# Altium PCB PR2387.PcbDoc (part 1 of 2) (continued)
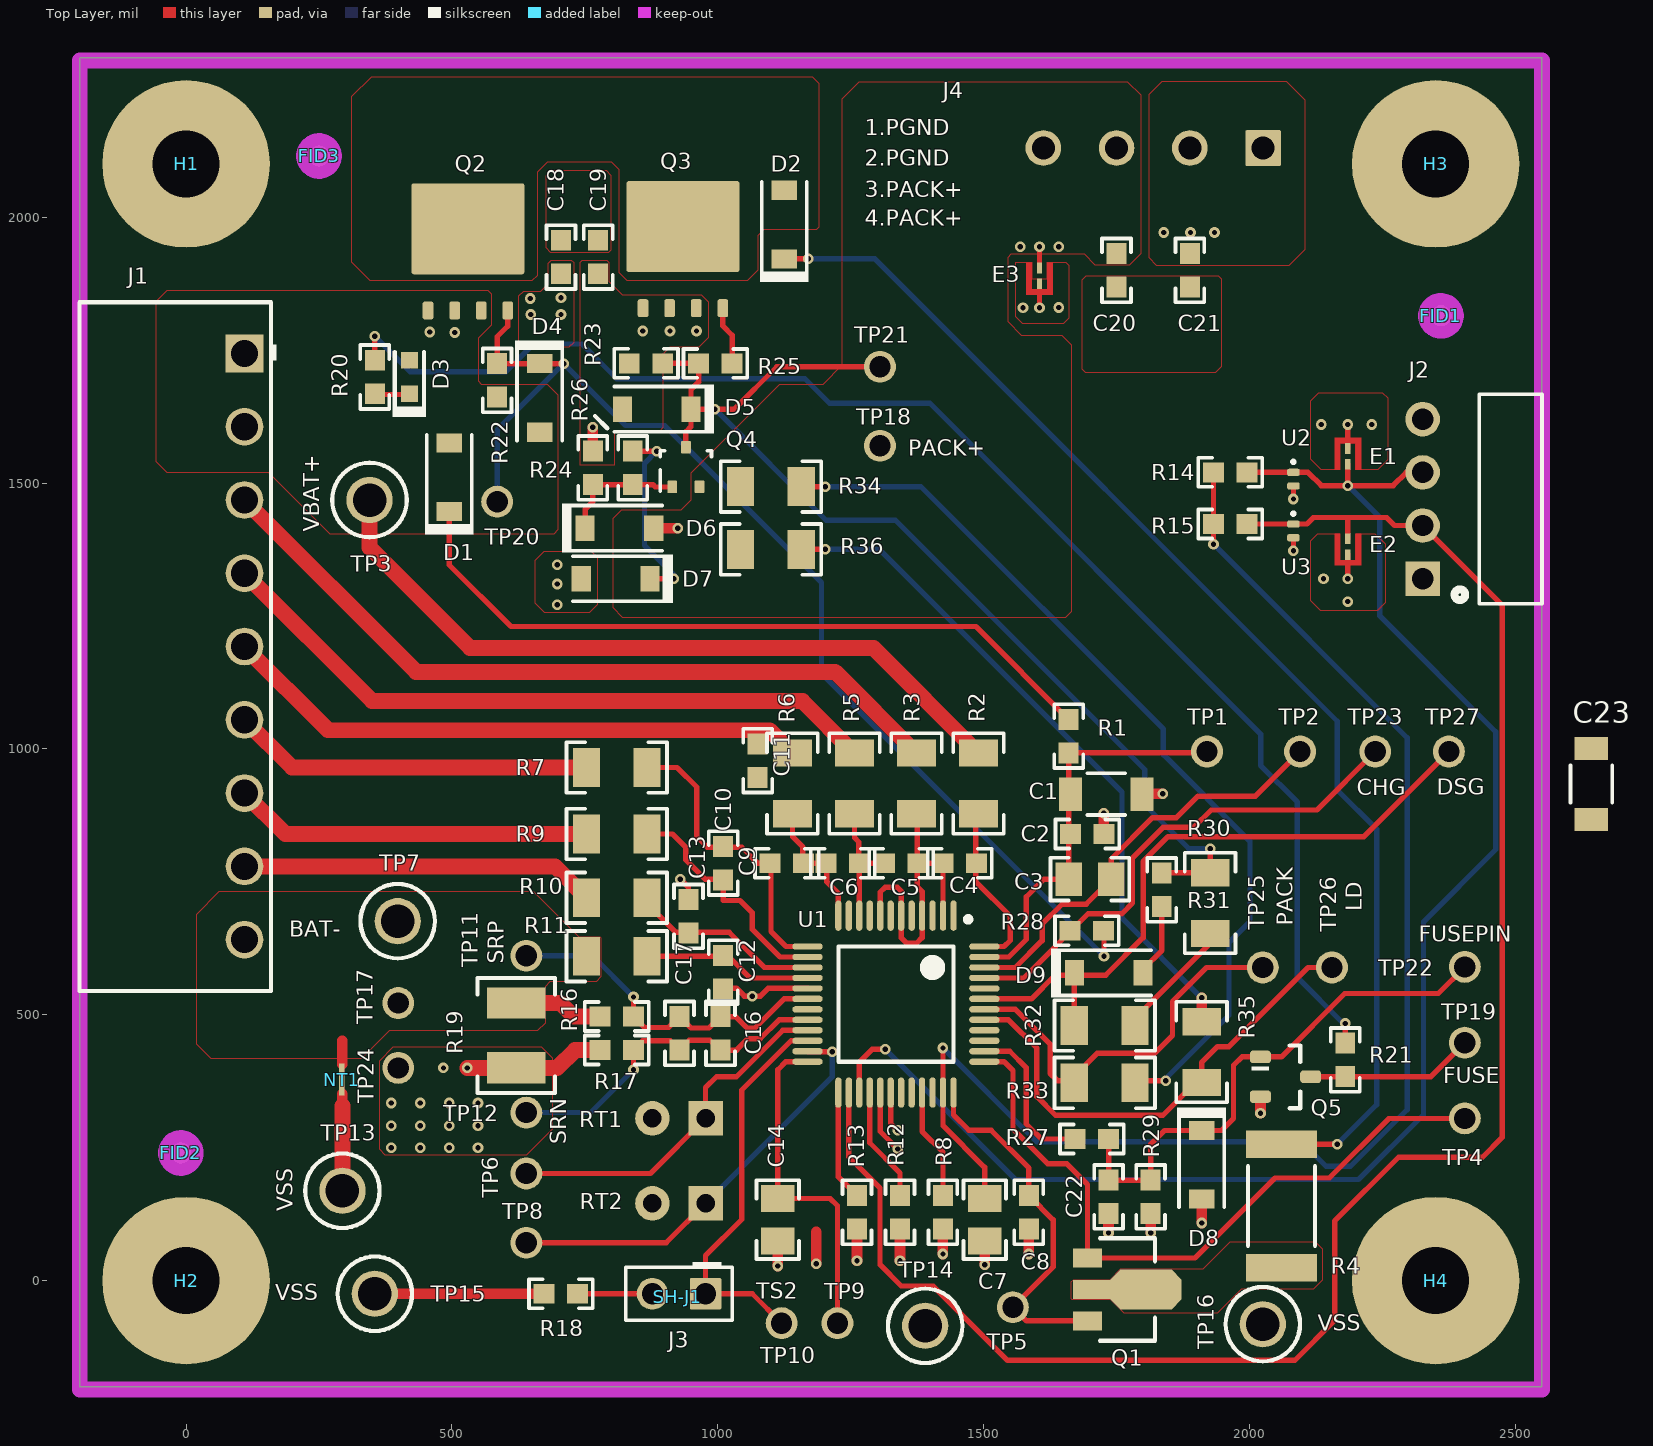
[diagram p0: Top Layer view]
## Part data (continued)
C14: library part CMP-0008001-2, "CAP, CERM, 2.2 uF, 16 V, +/- 10%, X7R, 0805", Cap_Case=0805, Manufacturer="Taiyo Yuden", Supplier Part Number 1=587-1431-1-ND, TempCo=X7R, Tolerance_%=10%, Value1=Unknown, Value2=16V, ValueDisplayed=2.2uF, AEC Category=Q200, AEC Qualified=?, Cap_F=2.2킚, ComponentLink1Description="Datasheet link", ComponentLink1URL=http://www.yuden.co.jp/ut/product/pdf/djmk_e.pdf, CompType=Capacitor, LatestRevisionDate=2017-03-09, MountType=SMT, PackageReference=0805, PartNumber=EMK212B7225KG-T, Polarized=N, Published=2008-06-19, Publisher="Texas Instruments", RoHS=Y, SizeArea_mm2=2.5, SizeAreaWB_mm2=6.75, SizeX_mm=2, SizeY_mm=1.25, SizeZ_mm=1.45, Supplier 1=Digi-Key, Supplier 2=Farnell, Supplier Part Number 2=1683654, TaMax_C=125캜, TaMin_C=-55캜, Technology=Ceramic, U/M=EA, VDC_V=16V
C16: library part CMP-0006841-4, "CAP, CERM, 100 pF, 50 V, +/- 5%, C0G/NP0, 0603", Cap_Case=0603, Manufacturer=Kemet, Supplier Part Number 1=399-1061-1-ND, TempCo=C0G/NP0, Tolerance_%=5%, Value1=Unknown, Value2=50V, ValueDisplayed=100pF, AEC Category=Q200, AEC Qualified=?, Cap_F=100pF, ComponentLink1Description="Datasheet link", ComponentLink1URL=http://www.kemet.com/kemet/web/homepage/kechome.nsf/vapubfiles/F3102_Y5V.pdf/$file/F3102_Y5V.pdf, CompType=Capacitor, LatestRevisionDate=2017-03-09, MountType=SMT, PackageReference=0603, PartNumber=C0603C101J5GACTU, Polarized=N, Published=2008-06-19, Publisher="Texas Instruments", RoHS=Y, SizeArea_mm2=1.28, SizeAreaWB_mm2=4.68, SizeX_mm=1.6, SizeY_mm=0.8, SizeZ_mm=1, Supplier 1=Digi-Key, Supplier 2=Mouser, Supplier 3=Farnell, Supplier Part Number 2=80-C0603C101J5G, Supplier Part Number 3=1414603, TaMax_C=125캜, TaMin_C=-55캜, Technology=Ceramic, U/M=EA, VDC_V=50V
C17 C22: library part CMP-0006837-4, "CAP, CERM, 0.1 uF, 50 V, +/- 10%, X7R, 0603", Cap_Case=0603, Manufacturer="Wurth Elektronik", TempCo=X7R, Tolerance_%=10%, Value1=Unknown, Value2=50V, ValueDisplayed=0.1uF, AEC Category=Q200, AEC Grade=N/A, AEC Qualified=N, Cap_F=100nF, ComponentLink1Description="Datasheet link", ComponentLink1URL=http://katalog.we-online.de/pbs/datasheet/885012206095.pdf, CompType=Capacitor, LatestRevisionDate=2017-03-09, MountType=SMT, PackageReference=0603, PartNumber=885012206095, Polarized=N, Published=2008-06-19, Publisher="Texas Instruments", RoHS=Y, SizeArea_mm2=1.28, SizeAreaWB_mm2=4.68, SizeX_mm=1.6, SizeY_mm=0.8, SizeZ_mm=1, TaMax_C=125캜, TaMin_C=-55캜, Technology=Ceramic, U/M=EA
  C22: VDC_V=50V
C18 C19 C20 C21: library part CMP-0064935-4, "CAP, CERM, 0.1 uF, 100 V,+/- 10%, X7R, AEC-Q200 Grade 1, 0603", Cap_Case=0603, Manufacturer=MuRata, Supplier Part Number 1=490-13420-1-ND, TempCo=X7R, Tolerance_%=10%, Value1=Unknown, Value2=100V, ValueDisplayed=0.1uF, AEC Category=Q200, AEC Grade=1, AEC Qualified=Y, Cap_F=100nF, ComponentLink1Description="Datasheet link", ComponentLink1URL=http://search.murata.co.jp/Ceramy/image/img/A01X/G101/ENG/GCJ188R72A104KA01-01.pdf, CompType=Capacitor, LatestRevisionDate=2017-06-05, MountType=SMT, PackageReference=0603, PartNumber=GCJ188R72A104KA01D, Polarized=N, Published=2008-06-19, Publisher="Texas Instruments", RoHS=Y, SizeArea_mm2=1.28, SizeAreaWB_mm2=4.68, SizeX_mm=1.6, SizeY_mm=0.8, SizeZ_mm=1, Supplier 1=Digi-Key, Supplier 2=Mouser, Supplier Part Number 2=81-GCJ188R72A104KA1D, TaMax_C=125캜, TaMin_C=-55캜, Technology=Ceramic, U/M=EA, VDC_V=100V
D1 D2 D9: library part CMP-0028450-2, "Diode, Schottky, 100 V, 0.15 A, SOD-123", Manufacturer="Diodes Inc.", Value1=0.15A, Value2=0.6V, AEC Category=Q101, AEC Qualified=?, ComponentLink1Description="Datasheet link", ComponentLink1URL=http://www.diodes.com/datasheets/ds30044.pdf, CompType=Diode, Green_EU RoHS=Passed, Green_EU RoHS-2=Passed, Green_Lifecycle=Active, Green_REACh=Passed, Io_A=150mA, MountType=SMT, PackageReference=SOD-123, PartNumber=BAT46W-7-F, RoHS=Y, SizeArea_mm2=6.545, SizeAreaWB_mm2=13.095, SizeX_mm=3.85, SizeY_mm=1.7, SizeZ_mm=1.35, Type=Schottky, Vf_V=600mV, Vr_V=100V
D3: library part CMP-0002947-3, "LED, Red, SMD", Color=Red, Manufacturer="Wurth Elektronik", Power_TotalModule=72mW, Value1=0.072W, Value2=2V, Angle=140, ComponentLink1Description="Datasheet link", ComponentLink1URL=http://katalog.we-online.de/led/datasheet/150060RS75000.pdf, CompType=LED, Io_A=30mA, MountType=SMT, PackageReference=LED_0603, PartNumber=150060RS75000, RoHS=Y, Tjmax_C=85캜, Type=AlInGaP, Vf_V=2V, Vr_V=5V
D4 D5 D6: library part CMP-0005754-4, "Diode, Zener, 16 V, 500 mW, SOD-123", Manufacturer="Diodes Inc.", Power_W=500mW, Value1=0.5W, AEC Category=Q101, AEC Qualified=?, ComponentLink1Description="Datasheet link", ComponentLink1URL=http://www.diodes.com/datasheets/ds18010.pdf, CompType=Zener, MountType=SMT, PackageReference=SOD-123, PartNumber=MMSZ5246B-7-F, RJA_CperW=350, RoHS=Y, SizeArea_mm2=6.545, SizeAreaWB_mm2=13.095, SizeX_mm=3.85, SizeY_mm=1.7, SizeZ_mm=1.35, Vz_V=16V
D7: library part CMP-0029001-2, "Diode, Ultrafast, 100 V, 0.15 A, SOD-123", Manufacturer="Diodes Inc.", Value1=0.15A, Value2=1.25V, AEC Category=Q101, AEC Qualified=?, ComponentLink1Description="Datasheet link", ComponentLink1URL=http://www.diodes.com/datasheets/ds30086.pdf, CompType=Diode, Green_EU RoHS=Passed, Green_EU RoHS-2=Passed, Green_Lifecycle=Active, Green_REACh=Passed, Io_A=1.5dA, MountType=SMT, PackageReference=SOD-123, PartNumber=1N4148W-7-F, RoHS=Y, SizeArea_mm2=6.545, SizeAreaWB_mm2=13.095, SizeX_mm=3.85, SizeY_mm=1.7, SizeZ_mm=1.35, Tjmax_C=150캜, Type=Ultrafast, Vf_V=1.25V, Vr_V=100V
D8: library part CMP-0005740-3, "Diode, Zener, 10 V, 500 mW, SOD-123", Manufacturer="ON Semiconductor", Power_W=500mW, Value1=0.5W, AEC Category=Q101, AEC Qualified=?, ComponentLink1Description="Datasheet link", ComponentLink1URL=http://www.onsemi.com/pub_link/Collateral/MMSZ4678T1-D.PDF, CompType=Zener, MountType=SMT, PackageReference=SOD-123, PartNumber=MMSZ4697T1G, RJA_CperW=340, RoHS=Y, SizeArea_mm2=6.545, SizeAreaWB_mm2=13.095, SizeX_mm=3.85, SizeY_mm=1.7, SizeZ_mm=1.35, Vz_V=10V
E1 E2 E3: library part CMP-0079939-1, CompType="Spark Gap"
FID1 FID2 FID3 FID4 FID5 FID6: library part CMP-0077181-1, "Fiducial mark.  There is nothing to buy or mount.", Manufacturer=N/A, ClassName=FiducialMark, CompType=Fiducial, MountType=N/A, PackageReference=N/A, PartNumber=N/A
H1 H2 H3 H4: library part CMP-0003617-1, "Machine Screw, Round, #4-40 x 1/4, Nylon, Philips panhead", Manufacturer="B&F Fastener Supply", PartNumber="NY PMS 440 0025 PH", Supplier Part Number 1=H542-ND, ClassName="Mounting Holes", ComponentLink1Description="Datasheet Link", ComponentLink1URL=http://www.fasnetdirect.com/refguide/Nylpanms.pdf, CompType=Hardware, Key="NY PMS 440 0025 PH", LatestRevisionDate=2017-03-09, MountType=N/A, PackageReference=Screw, Publisher="Texas Instruments", RoHS=Y, Supplier 1=Digi-Key
H5 H6 H7 H8: library part CMP-0003610-1, "Standoff, Hex, 0.5\"L #4-40 Nylon", Manufacturer=Keystone, Supplier Part Number 1=36-1902C-ND, ComponentLink1Description="Datasheet Link", ComponentLink1URL=http://www.keyelco.com/pdfs/M55-prod31.pdf, CompType=Hardware, Key=1902C, LatestRevisionDate=2017-03-09, MountType=N/A, PackageReference=Standoff, PartNumber=1902C, Publisher="Texas Instruments", RoHS=Y, Supplier 1=Digi-Key
J1: library part CMP-0055280-1, "Header(Shrouded), 3.5mm, 9x1, R/A, TH", Color=Black, Current_A=8A, Manufacturer=Molex, Supplier Part Number 1=WM7777-ND, Voltage_V=300V, Cert_UL=Y, CNHeader=FALSE, ComponentLink1Description="Datasheet URL", ComponentLink1URL=http://www.molex.com/pdm_docs/sd/395021002_sd.pdf, CompType=Header, ContactFinish=Tin, CT=FALSE, Gender=Male, LatestRevisionDate=26/05/2017, MountType=TH, Orientation=R/A, PackageReference="Header(Shrouded), 3.5mm, 9x1, R/A, TH", PartNumber=39502-1009, PinCount=9, Pitch_mm=3.5, Publisher="Texas Instruments", RoHS=Y, Row_Count=1, Shrouded=Y, Supplier 1=Digi-Key, Supplier 2=Newark, Supplier 3=Mouser, Supplier Part Number 2=03N5777, Supplier Part Number 3=538-39502-1009
J2: library part CMP-0055187-1, "Header (friction lock), 100mil, 4x1, R/A, TH", Manufacturer=Molex, Supplier Part Number 1=WM4302-ND, CNHeader=FALSE, ComponentLink1Description="Datasheet URL", ComponentLink1URL=http://www.molex.com/pdm_docs/sd/022053041_sd.pdf, CompType=Header, CT=FALSE, Green_EU RoHS=Passed, Green_EU RoHS-2=Passed, Green_Lifecycle=Active, Green_REACh=Passed, LatestRevisionDate=26/05/2017, MountType=TH, PackageReference="4x1 R/A Header", PartNumber=22/05/3041, Publisher="Texas Instruments", RoHS=Y, Supplier 1=Digi-Key, Supplier 2=Newark, Supplier 3=Mouser, Supplier Part Number 2=27C1932, Supplier Part Number 3=538-22-05-3041
J3: library part CMP-0002337-1, "Header, 100mil, 2x1, Tin, TH", Color=Black, Current_A=3A, Manufacturer="Sullins Connector Solutions", Supplier Part Number 1=S1012E-02-ND, Voltage_V=1.8kV, Cert_UL=Y, ClassName=Header, CNHeader=TRUE, ComponentLink1Description="Datasheet URL", ComponentLink1URL=http://www.sullinscorp.com/catalogs/77_PAGE108-109_.100_MALE_HDR.pdf, CompType=Header, ContactFinish=Tin, CT=FALSE, Gender=Male, Green_EU RoHS=Incomplete, Green_EU RoHS-2=Incomplete, Green_Lifecycle="Not Set", Green_REACh=Incomplete, LatestRevisionDate=26/05/2017, MountType=TH, Orientation=Vertical, PackageReference="Header, 2 PIN, 100mil, Tin", PartNumber=PEC02SAAN, PinCount=2, Pitch_mm=2.54, Publisher="Texas Instruments", RoHS=Y, Row_Count=1, Shrouded=N, Supplier 1=Digi-Key
J4: library part CMP-0087048-1, "TERM BLOCK 3.5MM VERT 4POS PCB", Current_A=10A, Manufacturer="On Shore Technology", Voltage_V=300V, ComponentLink1Description=Datasheet, ComponentLink1URL=http://www.on-shore.com/wp-content/uploads/2019/02/OSTTEXX0161.pdf, ContactFinish=Tin, PackageReference=HDR4, PartNumber=OSTTE040161, PinCount=4, RoHS=TRUE, Row_Count=1, Symbol Name=SYM-OSTTE040161
NT1: library part CMP-0078142-3, "Single point connection between nets.", Manufacturer=N/A, CompType=Net-Tie, MountType=SMT, PackageReference=N/A, PartNumber=N/A
Q1: library part CMP-0000510-2, "Transistor, NPN, 150 V, 1 A, AEC-Q101, SOT-89", Manufacturer="Diodes Inc.", Supplier Part Number 1=FCX495CT-ND, Value1="1 A", Value2=300, AEC Category=Q101, AEC Qualified=Y, ComponentLink1Description="Datasheet link", ComponentLink1URL=https://www.diodes.com/assets/Datasheets/FCX495.pdf, CompType=BJT, HfeMax=300, IcRated_A=1A, LatestRevisionDate=2017-03-09, MountType=SMT, NPN=1, PackageReference=SOT-89, PartNumber=FCX495TA, PNP=0, Published=2008-07-31, Publisher="Texas Instruments", RoHS=Y, SizeArea_mm2=18.45, SizeAreaWB_mm2=28.05, SizeX_mm=4.1, SizeY_mm=4.5, SizeZ_mm=1.5, Supplier 1=Digi-Key, Supplier 2=Newark, Supplier 3=Mouser, Supplier Part Number 2=65T9121, Supplier Part Number 3=522-FCX495TA, TaMax_C=150캜, TaMin_C=-65캜, U/M=EA, Vceo_V=150V, Vcesat1_V=200mV
Q2 Q3: library part CMP-0000958-3, "MOSFET, N-CH, 100 V, 17 A, DNK0008A (VSON-CLIP-8)", Alternate Manufacturer=None, Manufacturer="Texas Instruments", Supplier Part Number 1=296-37478-6-ND, Value2="48 nC", AEC Category=Q101, AEC Qualified=N, ChType=N, ComponentLink1Description="Datasheet link", ComponentLink1URL=http://www.ti.com/lit/ds/symlink/csd19532q5b.pdf, CompType=MOSFET, IdsMax_A=17A, MountType=SMT, PackageReference=DNK0008A, PartNumber=CSD19532Q5B, QgTyp_nC=48, RoHS=Y, SizeArea_mm2=30, SizeAreaWB_mm2=56, SizeX_mm=6, SizeY_mm=5, SizeZ_mm=1, Supplier 1=Digi-Key, Supplier 2=Farnell, Supplier Part Number 2=2413268, U/M=EA, VdsMax_V=100V, Vgs_V=20V
Q4: library part CMP-0000774-1, "MOSFET, N-CH, 60 V, 0.31 A, SOT-323", Alternate Manufacturer=None, Manufacturer="Fairchild Semiconductor", PartNumber=2N7002KW, Supplier Part Number 1=2N7002KWCT-ND, Value1=1, AEC Category=Q101, AEC Qualified=?, ChType=N, ComponentLink1Description="Datasheet link", ComponentLink1URL=http://www.fairchildsemi.com/ds/2N/2N7002KW.pdf, CompType=MOSFET, Green_EU RoHS=Passed, Green_EU RoHS-2=Passed, Green_Lifecycle=Active, Green_REACh=Passed, IdsMax_A=3.1dA, LatestRevisionDate=2017-03-09, LatestRevisionNote="Added parts.", MountType=SMT, PackageReference=SOT-323, Published=2008-06-19, Publisher="Texas Instruments", Rdson45_ohm=1.6, RoHS=Y, SizeArea_mm2=4.84, SizeAreaWB_mm2=10.24, SizeX_mm=2.2, SizeY_mm=2.2, SizeZ_mm=1.1, Supplier 1=Digi-Key, Supplier 2=Mouser, Supplier Part Number 2=512-2N7002KW, SymbolVersion=2008-07-28, U/M=EA, VdsMax_V=60V, Vgs_V=2.1V
Q5: library part CMP-0001015-3, "MOSFET, N-CH, 100 V, 1.9 A, SOT-23", Alternate Manufacturer=None, Manufacturer=Nexperia, Supplier Part Number 1=568-8112-1-ND, Value2="7 nC", AEC Category=Q101, AEC Qualified=N, ChType=N, ComponentLink1Description="Datasheet link", ComponentLink1URL=http://www.nexperia.com/documents/data_sheet/PMV213SN.pdf, CompType=MOSFET, IdsMax_A=1.9A, MountType=SMT, PackageReference=SOT-23, PartNumber=PMV213SN,215, QgTyp_nC=7, RoHS=Y, SizeArea_mm2=7.5, SizeAreaWB_mm2=14, SizeX_mm=2.5, SizeY_mm=3, SizeZ_mm=1.1, Supplier 1=Digi-Key, Supplier 2=Mouser, Supplier Part Number 2=771-PMV213SN215, VdsMax_V=100V, Vgs_V=30V
R1 R16 R17: library part CMP-0025700-4, "RES, 100, 5%, 0.1 W, AEC-Q200 Grade 0, 0603", Manufacturer=Vishay-Dale, PartNumber=CRCW0603100RJNEA, Power_W=100mW, Supplier Part Number 1=541-100GCT-ND, TempCo="200 ppm/C", Tolerance_%=5%, Value2=0.1W, Value_Code=100R, ValueDisplayed=100, AEC Category=Q200, AEC Grade=0, AEC Qualified=Y, ComponentLink1Description="Datasheet link", ComponentLink1URL=http://www.vishay.com/docs/20035/dcrcwe3.pdf, CompType=Resistor, EIA_Code=E24, LatestRevisionDate=2017-06-13, MountType=SMT, PackageReference=0603, Published=2008-06-26, Publisher="Texas Instruments", Res_ohm=100, RoHS=E, SizeArea_mm2=1.28, SizeX_mm=1.6, SizeY_mm=0.8, SizeZ_mm=1, Supplier 1=Digi-Key, Supplier 2=Newark, Supplier 3=Mouser, Supplier Part Number 2=59M6764, Supplier Part Number 3=71-CRCW0603J-100-E3, SymbolVersion=2009-05-29, Technology="Thick Film", U/M=EA, Value1=5%, VDC_V=75V
R2 R3 R5 R6 R7 R9 R10 R11: library part CMP-0016781-3, "RES, 20.0, 1%, 0.25 W, AEC-Q200 Grade 0, 1206", Manufacturer=Vishay-Dale, Power_W=250mW, Supplier Part Number 1=541-20.0FCT-ND, TempCo="100 ppm/C", Tolerance_%=1%, Value2=0.25W, Value_Code=20R0, ValueDisplayed=20.0, AEC Category=Q200, AEC Grade=0, AEC Qualified=Y, ComponentLink1Description="Datasheet link", ComponentLink1URL=http://www.vishay.com/docs/20035/dcrcwe3.pdf, CompType=Resistor, EIA_Code=E96, MountType=SMT, PackageReference=1206, PartNumber=CRCW120620R0FKEA, Res_ohm=20, RoHS=E, SizeArea_mm2=5.12, SizeX_mm=3.2, SizeY_mm=1.6, SizeZ_mm=1.35, Supplier 1=Digi-Key, Supplier 2=Newark, Supplier 3=Mouser, Supplier Part Number 2=42K4894, Supplier Part Number 3=71-CRCW1206-20-E3, Technology="Thick Film", Value1=1%, VDC_V=200V
R4: library part CMP-0015884-3, "RES, 150, 5%, 1 W, AEC-Q200 Grade 0, 2512", Manufacturer=Vishay-Dale, Power_W=1W, Supplier Part Number 1=541-150XCT-ND, TempCo="200 ppm/C", Tolerance_%=5%, Value_Code=150R, ValueDisplayed=150, AEC Category=Q200, AEC Grade=0, AEC Qualified=Y, ComponentLink1Description="Datasheet link", ComponentLink1URL=http://www.vishay.com/docs/20035/dcrcwe3.pdf, CompType=Resistor, EIA_Code=E24, MountType=SMT, PackageReference=2512, PartNumber=CRCW2512150RJNEG, Res_ohm=150, RoHS=E, SizeArea_mm2=20.16, SizeX_mm=6.3, SizeY_mm=3.2, SizeZ_mm=0.71, Supplier 1=Digi-Key, Technology="Thick Film", Value1=5%, Value2=1W, VDC_V=500V
R8 R12 R13: library part CMP-0025729-4, "RES, 1.0 k, 5%, 0.1 W, AEC-Q200 Grade 0, 0603", Manufacturer=Vishay-Dale, Power_W=100mW, Supplier Part Number 1=541-1.0KGCT-ND, TempCo="200 ppm/C", Tolerance_%=5%, Value2=0.1W, Value_Code=1k00, ValueDisplayed=1.0k, AEC Category=Q200, AEC Grade=0, AEC Qualified=Y, ComponentLink1Description="Datasheet link", ComponentLink1URL=http://www.vishay.com/docs/20035/dcrcwe3.pdf, CompType=Resistor, EIA_Code=E24, MountType=SMT, PackageReference=0603, PartNumber=CRCW06031K00JNEA, Res_ohm=1k, RoHS=E, SizeArea_mm2=1.28, SizeX_mm=1.6, SizeY_mm=0.8, SizeZ_mm=1, Supplier 1=Digi-Key, Supplier 2=Newark, Supplier 3=Mouser, Supplier Part Number 2=59M6750, Supplier Part Number 3=71-CRCW0603J-1.0K-E3, Technology="Thick Film", Value1=5%, VDC_V=75V
R14 R15 R18: library part CMP-0025701-4, "RES, 10 k, 5%, 0.1 W, AEC-Q200 Grade 0, 0603", Manufacturer=Vishay-Dale, Power_W=100mW, Supplier Part Number 1=541-10KGCT-ND, TempCo="200 ppm/C", Tolerance_%=5%, Value2=0.1W, Value_Code=10k0, ValueDisplayed=10k, AEC Category=Q200, AEC Grade=0, AEC Qualified=Y, ComponentLink1Description="Datasheet link", ComponentLink1URL=http://www.vishay.com/docs/20035/dcrcwe3.pdf, CompType=Resistor, EIA_Code=E24, MountType=SMT, PackageReference=0603, PartNumber=CRCW060310K0JNEA, Res_ohm=10k, RoHS=E, SizeArea_mm2=1.28, SizeX_mm=1.6, SizeY_mm=0.8, SizeZ_mm=1, Supplier 1=Digi-Key, Supplier 2=Newark, Supplier 3=Mouser, Supplier Part Number 2=52K8066, Supplier Part Number 3=71-CRCW0603J-10K-E3, Technology="Thick Film", Value1=5%, VDC_V=75V
R19: library part CMP-0015200-2, "RES, 0.001, 1%, 1 W, 1210", Manufacturer=Rohm, PartNumber=PMR25HZPFV1L00, Power_W=1W, Supplier Part Number 1=RHM.001APCT-ND, TempCo="100 ppm/C", Tolerance_%=1%, Value_Code=1L000, ValueDisplayed=0.001, AEC Category=Q200, AEC Qualified=?, ComponentLink1Description="Datasheet link", ComponentLink1URL=http://media.digikey.com/pdf/Data%20Sheets/Rohm%20PDFs/PMR25-Series.pdf, CompType=Resistor, EIA_Code=E96, Green_EU RoHS=Passed, Green_EU RoHS-2=Incomplete, Green_Lifecycle=Active, Green_REACh=Passed, LatestRevisionDate=2017-03-09, MountType=SMT, PackageReference=1210, Published=2008-06-26, Publisher="Texas Instruments", Res_ohm=1m, RoHS=Y, SizeArea_mm2=8, SizeAreaWB_mm2=14.7, SizeX_mm=3.2, SizeY_mm=2.5, SizeZ_mm=1.35, Supplier 1=Digi-Key, SymbolVersion=2009-05-29, Technology="Thick Film", U/M=EA, Value1=1%, Value2=1W
R20 R21: library part CMP-0025799-4, "RES, 3.9 k, 5%, 0.1 W, AEC-Q200 Grade 0, 0603", Manufacturer=Vishay-Dale, Power_W=100mW, Supplier Part Number 1=541-3.9KGCT-ND, TempCo="200 ppm/C", Tolerance_%=5%, Value2=0.1W, Value_Code=3k90, ValueDisplayed=3.9k, AEC Category=Q200, AEC Grade=0, AEC Qualified=Y, ComponentLink1Description="Datasheet link", ComponentLink1URL=http://www.vishay.com/docs/20035/dcrcwe3.pdf, CompType=Resistor, EIA_Code=E24, MountType=SMT, PackageReference=0603, PartNumber=CRCW06033K90JNEA, Res_ohm=3.9k, RoHS=E, SizeArea_mm2=1.28, SizeX_mm=1.6, SizeY_mm=0.8, SizeZ_mm=1, Supplier 1=Digi-Key, Supplier 2=Newark, Supplier 3=Mouser, Supplier Part Number 2=72M6834, Supplier Part Number 3=71-CRCW0603J-3.9K-E3, Technology="Thick Film", Value1=5%, VDC_V=75V
R22 R23 R24: library part CMP-0025702-4, "RES, 10 M, 5%, 0.1 W, AEC-Q200 Grade 0, 0603", Manufacturer=Vishay-Dale, PartNumber=CRCW060310M0JNEA, Power_W=100mW, Supplier Part Number 1=541-10MGCT-ND, TempCo="200 ppm/C", Tolerance_%=5%, Value2=0.1W, Value_Code=10M0, ValueDisplayed=10M, AEC Category=Q200, AEC Grade=0, AEC Qualified=Y, ComponentLink1Description="Datasheet link", ComponentLink1URL=http://www.vishay.com/docs/20035/dcrcwe3.pdf, CompType=Resistor, EIA_Code=E24, LatestRevisionDate=2017-06-13, MountType=SMT, PackageReference=0603, Published=2008-06-26, Publisher="Texas Instruments", Res_ohm=10M, RoHS=E, SizeArea_mm2=1.28, SizeX_mm=1.6, SizeY_mm=0.8, SizeZ_mm=1, Supplier 1=Digi-Key, Supplier 2=Newark, Supplier 3=Mouser, Supplier Part Number 2=59M6761, Supplier Part Number 3=71-CRCW0603J-10M-E3, SymbolVersion=2009-05-29, Technology="Thick Film", U/M=EA, Value1=5%, VDC_V=75V
R25: library part CMP-0025697-4, "RES, 0, 5%, 0.1 W, AEC-Q200 Grade 0, 0603", Manufacturer=Vishay-Dale, Power_W=100mW, Supplier Part Number 1=541-0.0GCT-ND, TempCo="200 ppm/C", Tolerance_%=5%, Value2=0.1W, Value_Code=0000, ValueDisplayed=0, AEC Category=Q200, AEC Grade=0, AEC Qualified=Y, ComponentLink1Description="Datasheet link", ComponentLink1URL=http://www.vishay.com/docs/20035/dcrcwe3.pdf, CompType=Resistor, EIA_Code=E24, MountType=SMT, PackageReference=0603, PartNumber=CRCW06030000Z0EA, Res_ohm=0, RoHS=E, SizeArea_mm2=1.28, SizeX_mm=1.6, SizeY_mm=0.8, SizeZ_mm=1, Supplier 1=Digi-Key, Supplier 2=Newark, Supplier 3=Mouser, Supplier Part Number 2=52K8014, Supplier Part Number 3=71-CRCW0603-0-E3, Technology="Thick Film", Value1=5%, VDC_V=75V
R26: library part CMP-0025701-4, "RES, 10 k, 5%, 0.1 W, AEC-Q200 Grade 0, 0603", Manufacturer=Vishay-Dale, PartNumber=CRCW060310K0JNEA, Power_W=100mW, Supplier Part Number 1=541-10KGCT-ND, TempCo="200 ppm/C", Tolerance_%=5%, Value2=0.1W, Value_Code=10k0, ValueDisplayed=10k, AEC Category=Q200, AEC Grade=0, AEC Qualified=Y, ComponentLink1Description="Datasheet link", ComponentLink1URL=http://www.vishay.com/docs/20035/dcrcwe3.pdf, CompType=Resistor, EIA_Code=E24, LatestRevisionDate=2017-06-13, MountType=SMT, PackageReference=0603, Published=2008-06-26, Publisher="Texas Instruments", Res_ohm=10k, RoHS=E, SizeArea_mm2=1.28, SizeX_mm=1.6, SizeY_mm=0.8, SizeZ_mm=1, Supplier 1=Digi-Key, Supplier 2=Newark, Supplier 3=Mouser, Supplier Part Number 2=52K8066, Supplier Part Number 3=71-CRCW0603J-10K-E3, SymbolVersion=2009-05-29, Technology="Thick Film", U/M=EA, Value1=5%, VDC_V=75V
R27: library part CMP-0025830-4, "RES, 5.1 k, 5%, 0.1 W, AEC-Q200 Grade 0, 0603", Manufacturer=Vishay-Dale, PartNumber=CRCW06035K10JNEA, Power_W=100mW, Supplier Part Number 1=541-5.1KGCT-ND, TempCo="200 ppm/C", Tolerance_%=5%, Value2=0.1W, Value_Code=5k10, ValueDisplayed=5.1k, AEC Category=Q200, AEC Grade=0, AEC Qualified=Y, ComponentLink1Description="Datasheet link", ComponentLink1URL=http://www.vishay.com/docs/20035/dcrcwe3.pdf, CompType=Resistor, EIA_Code=E24, LatestRevisionDate=2017-06-13, MountType=SMT, PackageReference=0603, Published=2008-06-26, Publisher="Texas Instruments", Res_ohm=5.1k, RoHS=E, SizeArea_mm2=1.28, SizeX_mm=1.6, SizeY_mm=0.8, SizeZ_mm=1, Supplier 1=Digi-Key, Supplier 2=Newark, Supplier 3=Farnell, Supplier Part Number 2=89M6773, Supplier Part Number 3=1570751, SymbolVersion=2009-05-29, Technology="Thick Film", U/M=EA, Value1=5%, VDC_V=75V
R28: library part CMP-0025830-4, "RES, 5.1 k, 5%, 0.1 W, AEC-Q200 Grade 0, 0603", Manufacturer=Vishay-Dale, Power_W=100mW, Supplier Part Number 1=541-5.1KGCT-ND, TempCo="200 ppm/C", Tolerance_%=5%, Value2=0.1W, Value_Code=5k10, ValueDisplayed=5.1k, AEC Category=Q200, AEC Grade=0, AEC Qualified=Y, ComponentLink1Description="Datasheet link", ComponentLink1URL=http://www.vishay.com/docs/20035/dcrcwe3.pdf, CompType=Resistor, EIA_Code=E24, MountType=SMT, PackageReference=0603, PartNumber=CRCW06035K10JNEA, Res_ohm=5.1k, RoHS=E, SizeArea_mm2=1.28, SizeX_mm=1.6, SizeY_mm=0.8, SizeZ_mm=1, Supplier 1=Digi-Key, Supplier 2=Newark, Supplier 3=Farnell, Supplier Part Number 2=89M6773, Supplier Part Number 3=1570751, Technology="Thick Film", Value1=5%, VDC_V=75V
R29: library part CMP-0025753-4, "RES, 20 k, 5%, 0.1 W, AEC-Q200 Grade 0, 0603", Manufacturer=Vishay-Dale, PartNumber=CRCW060320K0JNEA, Power_W=100mW, Supplier Part Number 1=541-20KGCT-ND, TempCo="200 ppm/C", Tolerance_%=5%, Value2=0.1W, Value_Code=20k0, ValueDisplayed=20k, AEC Category=Q200, AEC Grade=0, AEC Qualified=Y, ComponentLink1Description="Datasheet link", ComponentLink1URL=http://www.vishay.com/docs/20035/dcrcwe3.pdf, CompType=Resistor, EIA_Code=E24, LatestRevisionDate=2017-06-13, MountType=SMT, PackageReference=0603, Published=2008-06-26, Publisher="Texas Instruments", Res_ohm=20k, RoHS=E, SizeArea_mm2=1.28, SizeX_mm=1.6, SizeY_mm=0.8, SizeZ_mm=1, Supplier 1=Digi-Key, Supplier 2=Newark, Supplier 3=Mouser, Supplier Part Number 2=59M6783, Supplier Part Number 3=71-CRCW0603J-20K-E3, SymbolVersion=2009-05-29, Technology="Thick Film", U/M=EA, Value1=5%, VDC_V=75V
R30 R32 R33 R34 R35 R36: library part CMP-0018703-3, "RES, 5.1 k, 5%, 0.25 W, AEC-Q200 Grade 0, 1206", Manufacturer=Vishay-Dale, Power_W=250mW, Supplier Part Number 1=541-5.1KECT-ND, TempCo="200 ppm/C", Tolerance_%=5%, Value2=0.25W, Value_Code=5k10, ValueDisplayed=5.1k, AEC Category=Q200, AEC Grade=0, AEC Qualified=Y, ComponentLink1Description="Datasheet link", ComponentLink1URL=http://www.vishay.com/docs/20035/dcrcwe3.pdf, CompType=Resistor, EIA_Code=E24, MountType=SMT, PackageReference=1206, PartNumber=CRCW12065K10JNEA, Res_ohm=5.1k, RoHS=E, SizeArea_mm2=5.12, SizeX_mm=3.2, SizeY_mm=1.6, SizeZ_mm=1.35, Supplier 1=Digi-Key, Supplier 2=Newark, Supplier 3=Mouser, Supplier Part Number 2=59M8589, Supplier Part Number 3=71-CRCW1206J-5.1K-E3, Technology="Thick Film", Value1=5%, VDC_V=200V
R31: library part CMP-0022601-4, "RES, 7.50 k, 1%, 0.1 W, AEC-Q200 Grade 0, 0603", Manufacturer=Vishay-Dale, Power_W=100mW, Supplier Part Number 1=541-7.50KHCT-ND, TempCo="100 ppm/C", Tolerance_%=1%, Value2=0.1W, Value_Code=7k50, ValueDisplayed=7.50k, AEC Category=Q200, AEC Grade=0, AEC Qualified=Y, ComponentLink1Description="Datasheet link", ComponentLink1URL=http://www.vishay.com/docs/20035/dcrcwe3.pdf, CompType=Resistor, EIA_Code=E96, MountType=SMT, PackageReference=0603, PartNumber=CRCW06037K50FKEA, Res_ohm=7.5k, RoHS=E, SizeArea_mm2=1.28, SizeX_mm=1.6, SizeY_mm=0.8, SizeZ_mm=1, Supplier 1=Digi-Key, Supplier 2=Newark, Supplier 3=Mouser, Supplier Part Number 2=52K8696, Supplier Part Number 3=71-CRCW0603-7.5K-E3, Technology="Thick Film", Value1=1%, VDC_V=75V
RT1 RT2: library part CMP-0002341-2, "Thermistor NTC, 10.0k ohm, 1%, Disc, 5x8.4 mm", Manufacturer="SEMITEC Corporation", PartNumber=103AT-2, Power_W=10mW, Supplier Part Number 1=954-103AT-2, Tolerance_%=1%, ComponentLink1Description="Datasheet link", ComponentLink1URL=http://www.semitec.co.jp/english2/products/pdf/AT_Thermistor.pdf, CompType=ThermistorNTC, LatestRevisionDate=09/03/2017, MountType=TH, PackageReference="Disc, 5x8.4 mm", Published=22/09/2009, Publisher="Texas Instruments", RoHS=Y, Series=AT, Supplier 1=Mouser, SymbolVersion=2008-11-25, TaMax_C=110캜, TaMin_C=-50캜, U/M=EA
SH-J1: library part CMP-0003623-3, "Shunt, 100mil, Gold plated, Black", Alternate Manufacturer=3M, Alternate PartNumber=969102-0000-DA, Manufacturer=Samtec, Supplier Part Number 1=SAM8858-ND, ClassName=Shunt, ComponentLink1Description="Datasheet Link", ComponentLink1URL=http://www.samtec.com/ftppub/pdf/SNT.PDF, CompType=Shunt, MountType=N/A, PackageReference=Shunt, PartNumber=SNT-100-BK-G, RoHS=Y, Supplier 1=Digi-Key
TP1 TP2 TP4 TP5 TP6 TP8 TP9 TP10 TP11 TP12 TP17 TP18 TP19 TP20 TP21 TP22 TP23 TP24 TP25 TP26 TP27: library part CMP-0078143-3, "TEST POINT.  No entry in BOM.", Manufacturer=N/A, CompType=Testpoint, PackageReference=N/A, PartNumber=N/A
TP3: library part CMP-0055147-1, "Test Point, Multipurpose, Red, TH", Color=Red, Manufacturer=Keystone, PartNumber=5010, Supplier Part Number 1=36-5010-ND, CNHeader=FALSE, ComponentLink1Description="Datasheet URL", ComponentLink1URL=http://www.keyelco.com/userAssets/file/M60-2p60.pdf, CompType="Test Point", ContactFinish=Silver, CT=TRUE, Green_EU RoHS=Passed, Green_EU RoHS-2=Incomplete, Green_Lifecycle=Active, Green_REACh=Passed, LatestRevisionDate=26/05/2017, MountType=TH, PackageReference="Red Multipurpose Testpoint", Publisher="Texas Instruments", RoHS=Y, Supplier 1=Digi-Key, Supplier 2=Mouser, Supplier Part Number 2=534-5010
TP7: library part CMP-0055148-1, "Test Point, Multipurpose, Black, TH", Color=Black, Manufacturer=Keystone, PartNumber=5011, Supplier Part Number 1=36-5011-ND, CNHeader=FALSE, ComponentLink1Description="Datasheet URL", ComponentLink1URL=http://www.keyelco.com/userAssets/file/M60-2p60.pdf, CompType="Test Point", ContactFinish=Silver, CT=TRUE, Green_EU RoHS=Passed, Green_EU RoHS-2=Incomplete, Green_Lifecycle=Active, Green_REACh=Passed, LatestRevisionDate=26/05/2017, MountType=TH, PackageReference="Black Multipurpose Testpoint", Publisher="Texas Instruments", RoHS=Y, Supplier 1=Digi-Key, Supplier 2=Mouser, Supplier Part Number 2=534-5011
TP13 TP14 TP15 TP16: library part CMP-0055143-1, "Test Point, Compact, Black, TH", Color=Black, Manufacturer=Keystone, Supplier Part Number 1=36-5006-ND, CNHeader=FALSE, ComponentLink1Description="Datasheet URL", ComponentLink1URL=http://www.keyelco.com/userAssets/file/M60-2p60.pdf, CompType="Test Point", ContactFinish=Silver, CT=TRUE, Green_EU RoHS=Passed, Green_EU RoHS-2=Incomplete, Green_Lifecycle=Active, Green_REACh=Passed, LatestRevisionDate=26/05/2017, MountType=TH, PackageReference="Black Compact Testpoint", PartNumber=5006, Publisher="Texas Instruments", RoHS=Y, Supplier 1=Digi-Key, Supplier 2=Mouser, Supplier Part Number 2=534-5006, SymbolVersion=2008-04-04
U1: library part CMP-0750064-1, "Multicell Battery Monitor and Protection Family, PFB0048A (TQFP-48)", Alternate Manufacturer="Texas Instruments", Alternate PartNumber=BQ76942PFBT, AEC Category=Q200, AEC Qualified=N, ComponentLink1Description="Datasheet Link", ComponentLink1URL=http://www.ti.com/lit/ds/symlink/bq76942.pdf, ComponentLink2Description="Product Folder", ComponentLink2URL=http://www.ti.com/product/bq76942, ComponentLink3Description="Online Datasheet", ComponentLink3URL=http://www.ti.com/product/bq76942/datasheet, CompType=IC, Manufacturer="Texas Instruments", MountType=SMT, PackageDescription=TQFP-48, PackageReference=PFB0048A, PartNumber=BQ76942PFBR, SizeArea_mm2=81, SizeAreaWB_mm2=121, SizeX_mm=9, SizeY_mm=9, SizeZ_mm=1.2
U2 U3: library part CMP-0043093-4, "Single-Channel ESD in 0402 Package With 10pF Capacitance and 6V Breakdown, DPY0002A (X1SON-2)", Alternate Manufacturer="Texas Instruments", Alternate PartNumber=TPD1E10B06DPYT, Breakdown Voltage(Min)(V)=6, IO Capacitance(Typ)(pF)=10, Operating Temperature Range="-40 to 125 C", Rating=Catalog, AEC Category=Q200, AEC Qualified=N, ComponentLink1Description="Datasheet Link", ComponentLink1URL=http://www.ti.com/lit/ds/symlink/tpd1e10b06.pdf, ComponentLink2Description="Product Folder", ComponentLink2URL=http://www.ti.com/product/tpd1e10b06, ComponentLink3Description="Online Datasheet", ComponentLink3URL=http://www.ti.com/product/tpd1e10b06/datasheet, CompType=IC, Eco-Plan=TBD, Green_EU RoHS=Passed, Green_EU RoHS-2=Passed, Green_Lifecycle=Active, Green_REACh=Passed, IEC 61000-4-2 Air-Gap(+/- kV)=30, IEC 61000-4-2 Contact(+/- kV)=30, IO Leakage Current(nA)=10, Manufacturer="Texas Instruments", MountType=SMT, PackageDescription=X1SON-2, PackageReference=DPY0002A, RoHS=Y, SizeArea_mm2=0.6, SizeAreaWB_mm2=3.2, SizeX_mm=1.0, SizeY_mm=0.6, SizeZ_mm=0.45
ZZ1: library part CMP-0077236-1, ClassName=AssemblyNote, CompType=AssemblyNote, Key=AssemblyNote, LatestRevisionDate=2017-08-10, Publisher="Texas Instruments"
ZZ2: library part CMP-0077237-1, ClassName=AssemblyNote, CompType=AssemblyNote, Key=AssemblyNote, LatestRevisionDate=2017-08-10, Publisher="Texas Instruments"
ZZ3: library part CMP-0077238-1, ClassName=AssemblyNote, CompType=AssemblyNote, Key=AssemblyNote, LatestRevisionDate=2017-08-10, Publisher="Texas Instruments"

## Via types
v1: diameter 20, hole 10, Top Layer to Bottom Layer, tented top, 83 vias

## Nets (pads, with @x,y where several pads share a name; then routed paths per layer and width w, separated by ;. In a path a pad name is that pad's centre, name@x,y a point inside that pad or via, vN(x,y) a via of type N, cw(c..) or ccw(c..) an arc to the next point about the centre after c; other vN are vias at no path point)
7P: C18.2 D1.2 D3.2 D4.2 J1.2 Q2.1 Q2.2 Q2.3 R2.1 R22.1 TP3.1 | length 1394.6
  Top Layer w30: TP3.1@345,1468 345,1379 534,1190 1292.4,1190 R2.1@1490.31,992.09
  other v1: 505,1783 458,1784 648,1817 705,1817 647,1847 705,1848.5
BAT-: J1.9 NT1.2 R11.1 R16.1 R19.2 TP7.1 TP17.1 | length 226.6
  Top Layer w10: NT1.2@293,393 NT1.2@293,406
  Top Layer w20: NT1.2@294,407 294,451.1
  Top Layer w30: TP17.1@398,523.02 TP17.1@399,522.02 ; R19.2@621,522.02 703.98,522.02 729.5,496.5 R16.1@778.5,496.5
BREG: Q1.1 TP4.1 U1.37 | length 1310.9
  Top Layer w10: U1.37@1501.34,411.73 1538.27,411.73 1555,395 1555,285 1620,220 1656.01,220 1695.2,180.81 Q1.1@1695.2,42.4 1897.4,42.4 2048,193 2150,193 2262,305 TP4.1@2404.95,305
CD: D2.2 Q2.5 Q2.6 Q2.7 Q2.8 Q2.9@530,1977.99 Q3.5 Q3.6 Q3.7 Q3.8 Q3.9@934.45,1982.28
CHG: R28.1 TP23.1 U1.45 | length 961.1
  Top Layer w10: U1.45@1501.34,569.21 1575.72,569.21 1696.5,690 1760,690 1780,710 1780,794.69 1838.07,852.76 1895.76,852.76 1928,885 2126.5,885 TP23.1@2236.5,995
DSG: D9.1 R32.1 TP27.1 U1.43 | length 1252.6
  Top Layer w10: U1.43@1501.34,529.84 1589.84,529.84 1634.57,574.57 D9.1@1670.53,574.57 ; R32.1@1670.53,472.05 D9.1@1670.53,574.57 ; TP27.1@2374.95,995 2214.91,834.96 1903.24,834.96 1903.16,834.88 1846.79,834.88 1800,788.09 1800,645 1729.57,574.57 D9.1@1670.53,574.57
FUSE: R27.2 U1.38 | length 300.9
  Top Layer w10: U1.38@1501.34,431.42 1549.02,431.42 1579.84,400.59 1579.84,295 1608.62,266.22 R27.2@1672.01,266.22
LD: R35.2 TP26.1 U1.41 | length 918.5
  Top Layer w10: U1.41@1501.34,490.47 1546.77,490.47 1600,437.24 1600,345.94 1634.94,311 1837,311 1898.68,372.68 R35.2@1910,372.68 1910,410 1940,440 1961,440 2109.9,588.9 TP26.1@2155,588.9
NetC1_1: C1.1 C2.1 C3.1 R1.1 TP1.1 U1.47 | length 763.9
  Top Layer w10: U1.47@1501.34,608.58 1547.13,608.58 1580,641.46 1580,721.62 1613.38,755 C3.1@1659.88,755 R1.1@1659.88,992.64 TP1.1@1920,992.64
NetC3_2: C3.2 TP2.1 U1.46 | length 802.2
  Top Layer w10: U1.46@1501.34,588.9 1559.45,588.9 1610,639.45 1610,670.39 1647.48,707.87 1692.75,707.87 C3.2@1739.88,755 1739.88,792.88 1817.63,870.63 1862.63,870.63 1903,911 2011,911 TP2.1@2095,995
NetC4_1: C4.1 R2.2 U1.48 | length 320.6
  Top Layer w10: R2.2@1490.31,877.91 1485,872.6 1485,785 1485,750.75 1550,685.75 1550,640 1538.27,628.27 U1.48@1501.34,628.27
NetC4_2: C4.2 C5.1 R3.2 U1.2 U1.4 U1.6 U1.8 | length 609.9
  Top Layer w10: U1.8@1305.47,686.34 1305.47,730.47 1314.51,739.51 1338.02,739.51 1344.84,732.69 U1.6@1344.84,686.34 1344.84,645 1354.84,635 1374.21,635 1384.21,645 U1.4@1384.21,686.34 1384.21,731.71 1375,740.93 C5.1@1375,785 ; R3.2@1373.65,877.91 1375,876.56 C5.1@1375,785 ; U1.2@1423.58,686.34 1423.58,785 C5.1@1375,785
NetC5_2: C5.2 C6.1 R5.2 U1.10 | length 245.4
  Top Layer w10: R5.2@1256.98,877.91 1256.98,833.02 1265,825 C6.1@1265,785 ; U1.10@1266.1,686.34 1266.1,783.9 C6.1@1265,785 ; C5.2@1315,785 C6.1@1265,785
NetC6_2: C6.2 C9.1 R6.2 U1.12 | length 253.7
  Top Layer w10: R6.2@1140.31,877.91 1140.31,835 1160,815.32 1160,785 1205,785 1205,750 1226.73,728.27 U1.12@1226.73,686.34
NetC9_2: C9.2 C10.1 R7.2 U1.13 | length 570.8
  Top Layer w10: R7.2@867.09,965 923.35,965 960.59,927.76 960.59,834.72 980.31,815 1010,815 1045,815 1075,785 1100,785 1100,656.46 1128.19,628.27 U1.13@1168.66,628.27
NetC10_2: C10.2 C11.1 R9.2 U1.14 | length 452.8
  Top Layer w10: R9.2@867.09,840 914.51,840 940,814.51 940,791.08 976.08,755 1010,755 1010,715 1041.55,715 1065,691.56 1065,660.51 1116.93,608.58 U1.14@1168.66,608.58
NetC11_2: C11.2 C13.1 R10.2 U1.15 | length 362.2
  Top Layer w10: R10.2@867.09,720 867.09,709.17 921.26,655 945,655 1010,655 1021.46,655 1087.56,588.9 U1.15@1168.66,588.9
NetC12_1: C12.1 R11.2 U1.16 | length 318.5
  Top Layer w10: R11.2@867.09,610 1010,610 1020,610 1060.79,569.21 U1.16@1168.66,569.21
NetC18_1: C18.1 C19.2
NetC20_2: C20.2 C21.1
NetC22_2: C22.2 D8.1 Q5.1 R27.1 R29.2 TP22.1 | length 1011.3
  Top Layer w10: R27.1@1735,266.22 C22.2@1735,188.97 R29.2@1813.96,188.97 1813.96,256.3 1840,282.34 D8.1@1910,282.34 1947.34,282.34 1970,305 1970,405 1985.75,420.75 Q5.1@2020.51,420.75 2059.75,420.75 2179,540 2354.95,540 TP22.1@2404.95,590
NetC23_1: C23.1 Q1.2 Q1.4 R4.1